# Altium PCB GN-1866-A-V2.PCBDOC (part 4 of 5)
Units mil, origin at the board's own origin, x right, y up, seen from the top; angles counter-clockwise.
Board outline 2475 x 2671.81 mil, 6 copper layers (TOP, ART02, ART03, ART04, ART05, BOTTOM), stack 47.2 mil thick; 347 components, 311 nets, 1697 pads, 1562 vias.
Unrouted connection lines stored in the file: 4.
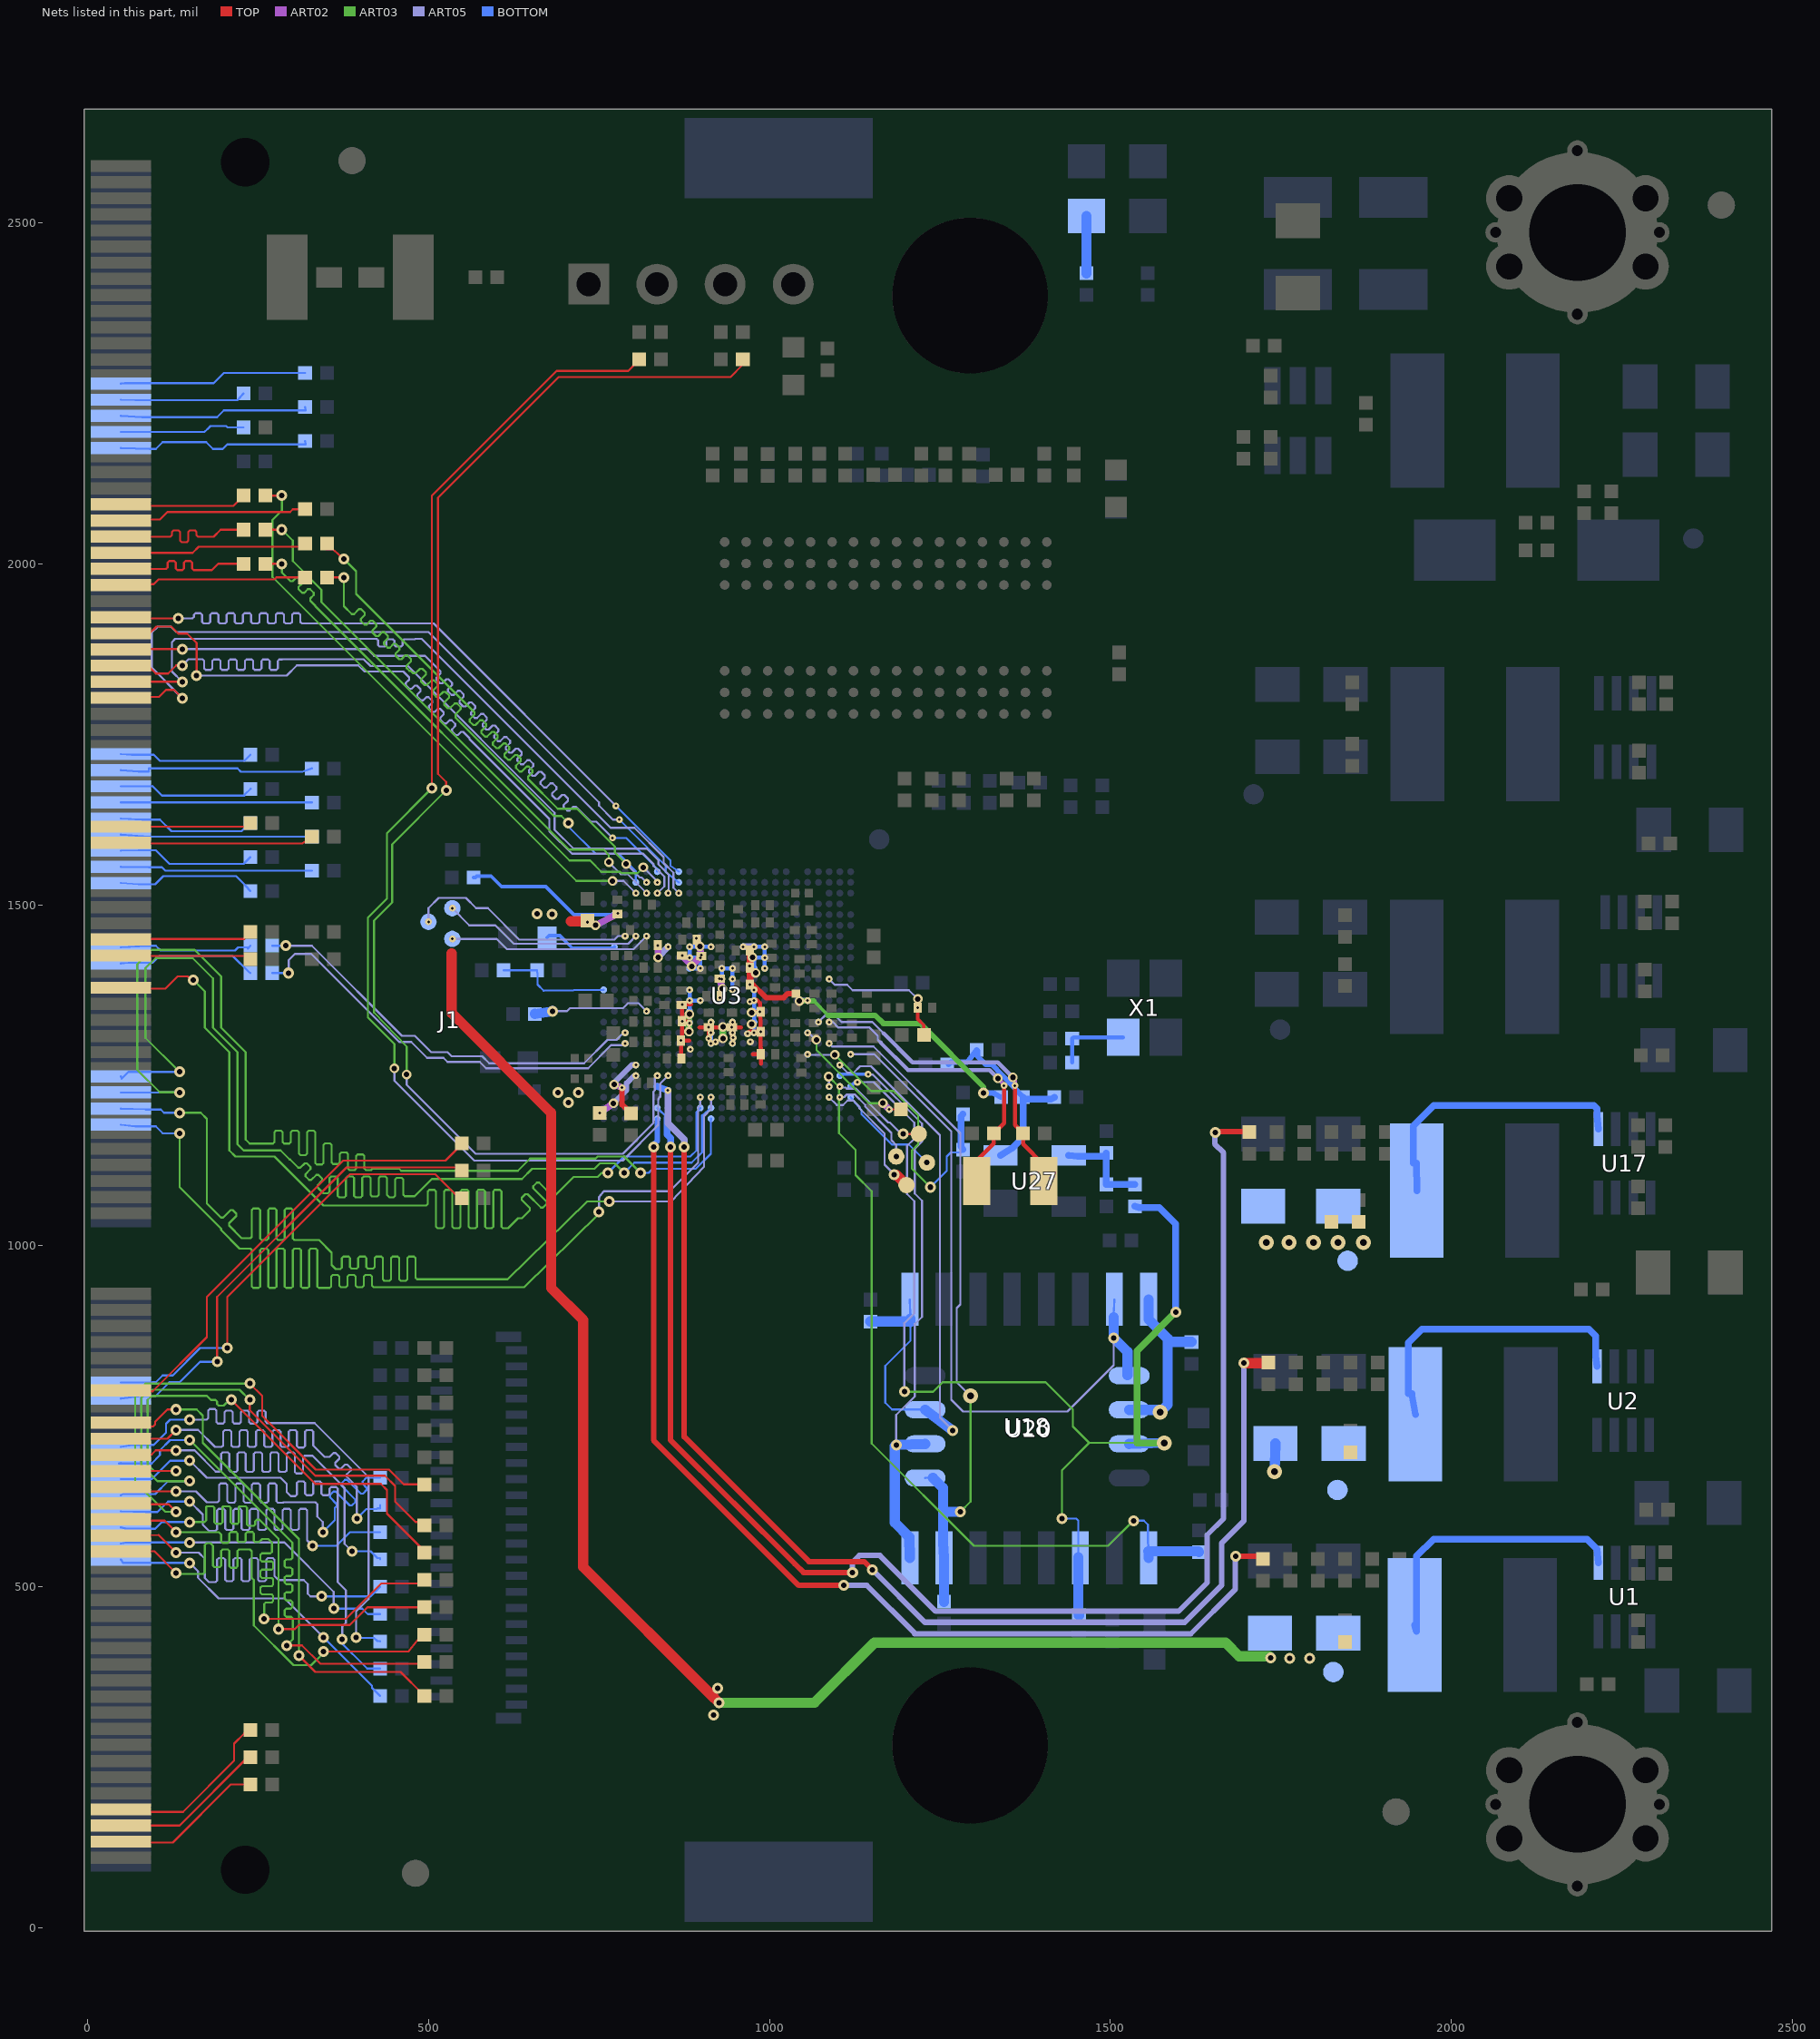
[diagram p8: the nets of this part, all layers, seen from the top]

## Via types
v1: diameter 10, hole 4, ART05 to BOTTOM, 456 vias
v2: diameter 22, hole 10, TOP to BOTTOM, 315 vias
v3: diameter 10, hole 4, TOP to ART02, 297 vias
v4: diameter 16, hole 8, TOP to BOTTOM, 255 vias
v5: diameter 14, hole 8, ART02 to ART05, 238 vias
v6: diameter 10, hole 4, ART02 to ART05, 1 vias

## Nets (pads, with @x,y where several pads share a name; then routed paths per layer and width w, separated by ;. In a path a pad name is that pad's centre, name@x,y a point inside that pad or via, vN(x,y) a via of type N, cw(c..) or ccw(c..) an arc to the next point about the centre after c; other vN are vias at no path point) (continued)
N600588: R28.2 U3.C20 | length 814
  TOP w3: R28.2@261,2050 v4(285,2050)
  ART03 w3: v4(285,2050) 301,2034 301,2004 343,1962 343,1944 706,1581 757,1581 764.5,1573 v5(764.5,1562.5)
  ART05 w3: v5(764.5,1562.5) 782,1545 791.97,1545 v1(819.87,1517.1)
N600594: R27.2 U3.B20 | length 839.4
  TOP w3: R27.2@351,2030 351,2021.5 359.5,2021.5 v4(376,2007)
  ART03 w3: v4(376,2007) 394,1989 394,1956 567.65,1782.35 567.65,1779.17 560.42,1771.93 560.42,1768.75 565.72,1763.45 568.9,1763.45 575.98,1770.53 579.17,1770.53 584.47,1765.22 584.47,1762.04 577.39,1754.96 577.39,1751.78 582.69,1746.48 585.87,1746.48 592.95,1753.56 596.14,1753.56 601.44,1748.25 601.44,1745.07 594.36,1737.99 594.36,1734.81 599.66,1729.51 602.84,1729.51 609.92,1736.59 613.11,1736.59 618.41,1731.28 618.41,1728.1 611.33,1721.02 611.33,1717.84 616.63,1712.53 619.81,1712.53 626.9,1719.62 630.08,1719.62 635.38,1714.31 635.38,1711.13 628.3,1704.05 628.3,1700.87 633.6,1695.56 636.78,1695.56 643.87,1702.65 647.05,1702.65 652.35,1697.34 652.35,1694.16 645.93,1687.74 645.93,1684.55 689.48,1641 717.81,1641 773.5,1585.31 773.5,1576.5 v5(790,1560)
  ART05 w3: v5(790,1560) 810,1540 812.71,1540 v1(819.87,1532.84)
N600600: R26.2 U3.B19 | length 820.5
  TOP w3: R26.2@261,2000 v4(285,2000)
  ART03 w3: v4(285,2000) 285,1987 297.65,1974.35 300.83,1974.35 306.16,1979.68 309.35,1979.68 314.65,1974.37 314.65,1971.19 309.52,1966.07 309.52,1962.89 314.83,1957.58 318.01,1957.58 323.13,1962.71 326.32,1962.71 331.62,1957.4 331.62,1954.22 326.55,1949.16 326.55,1945.98 334,1938.53 334,1938 707.04,1564.96 737.04,1564.96 753.5,1548.5 780.94,1548.5 782.94,1546.5 806.5,1546.5 v5(815,1555)
  ART05 w3: v5(815,1555) 835.62,1534.38 v1(835.62,1532.84)
N600606: R25.2 U3.B21 | length 874.1
  TOP w3: R25.2@351,1980 v4(376,1980)
  ART03 w3: v4(376,1980) 376,1938 387.65,1926.35 390.83,1926.35 397.93,1933.45 401.12,1933.45 406.42,1928.15 406.42,1924.96 400.86,1919.4 400.86,1916.22 406.16,1910.92 409.34,1910.92 414.9,1916.48 418.09,1916.48 423.39,1911.17 423.39,1907.99 417.83,1902.43 417.83,1899.25 423.13,1893.95 426.31,1893.95 431.88,1899.51 435.06,1899.51 440.36,1894.2 440.36,1891.02 434.8,1885.46 434.8,1882.28 440.1,1876.97 443.28,1876.97 448.85,1882.54 452.03,1882.54 457.33,1877.23 457.33,1874.05 451.77,1868.49 451.77,1865.31 457.07,1860 460.25,1860 465.82,1865.57 469,1865.57 474.3,1860.26 474.3,1857.08 467.8,1850.58 467.8,1847.4 472,1843.2 473.8,1843.2 477.65,1839.35 480.83,1839.35 487.73,1846.25 490.91,1846.25 496.22,1840.94 496.22,1837.76 488.96,1830.5 488.96,1827.32 494.26,1822.02 497.44,1822.02 504.7,1829.28 507.88,1829.28 513.19,1823.97 513.19,1820.79 505.93,1813.53 505.93,1810.35 511.23,1805.05 514.41,1805.05 521.67,1812.3 524.85,1812.3 530.16,1807 530.16,1803.82 522.9,1796.56 522.9,1793.38 528.2,1788.08 531.38,1788.08 538.64,1795.33 541.82,1795.33 547.13,1790.03 547.13,1786.85 539.84,1779.56 539.84,1774.16 683.8,1630.2 694.8,1630.2 v4(705,1620)
  BOTTOM w3: v4(705,1620) 705,1615 745.5,1574.5 779,1574.5 804.11,1549.39 804.11,1533 U3.B21@804.12,1532.84
N600612: R24.2 U3.C21 | length 874.2
  TOP w3: R24.2@261,2100 v4(285,2100)
  ART03 w3: v4(285,2100) 285,2078.15 271,2064.15 271,1980.78 716.78,1535 v5(770,1535)
  ART05 w3: v5(770,1535) 786.22,1535 v1(804.12,1517.1)
N600700: C219.1 R20.2 X1.3 | length 110.5
  BOTTOM w6: C219.1@1444,1268.89 R20.2@1444,1304 1445.79,1305.79 X1.3@1518.6,1305.79
N5382241: R213.1 U3.P20 | length 174
  ART05 w3: v4(682,1344) 703.35,1344 707.67,1348.33 785.33,1348.33 792.74,1355.74 808,1355.74 v1(819.87,1343.87)
  BOTTOM w15: R213.1@656,1340 v4(682,1344)
N5525110: R12.1 U3.T5 | length 192.3
  TOP w3: v3(1175.73,1200) R12.1@1193,1200
  ART02 w10: v5(1166.57,1209.16) v3(1175.73,1200)
  ART03 w3: v5(1069,1302) 1069,1287 1146,1209.16 v5(1166.57,1209.16)
  ART05 w3: v1(1056.09,1312.37) 1058.13,1311.28 1058.86,1311.28 1068.14,1302 v5(1069,1302)
N7059037: J1.60 R376.1 | length 685.2
  TOP w3: J1.60@49,787.85 81.19,786.78 95.54,786.78 175,866.24 175,925 375,1125 525,1125 545,1145 R376.1@549,1150
N7059835: J1.8 R375.2 | length 257.5
  TOP w3: J1.8@49,173.68 75,170 140,170 215,245 215,270 230,285 239,285 R375.2@239,290
N7059839: J1.6 R374.2 | length 231.4
  TOP w3: J1.6@49,150.06 110,150 135,150 235,250 R374.2@239,250
N7059843: J1.4 R373.2 | length 225.2
  TOP w3: J1.4@49,126.43 90,125 125,125 210,210 R373.2@239,210
N7068986: J1.59 R377.1 | length 697.1
  TOP w3: v4(190,830) 190,925 380,1115 545,1115 R377.1@549,1110
  BOTTOM w3: J1.59@49,776.04 80,780 100,780 120,800 135,800 165,830 v4(190,830)
N7068990: J1.61 R378.1 | length 684.1
  TOP w3: v4(205,850) 205,925 385,1105 510,1105 540,1075 R378.1@549,1070
  BOTTOM w3: J1.61@49,799.66 95,799.84 99.98,799.84 110.14,810 125,810 165,850 v4(205,850)
N7082601: J1.105 R384.2 | length 204.3
  BOTTOM w3: J1.105@49,1413.83 60,1415 95,1415 105,1425 213.02,1425 236.37,1401.64 R384.2@239,1400
N7082607: J1.107 R380.2 | length 198.7
  BOTTOM w3: J1.107@49,1437.46 90,1440 100,1440 107,1433 216.25,1433 221,1437.75 234.75,1437.75 234.75,1435.75 R380.2@239,1440
N7082751: J1.115 R385.2 | length 204.5
  BOTTOM w3: J1.115@49,1531.94 75,1530 99,1530 111,1542 217.9,1542 231.94,1527.95 231.94,1527.8 232.36,1527.38 R385.2@239,1520
N7082755: J1.117 R386.2 | length 282.1
  BOTTOM w3: J1.117@49,1555.57 90,1555 109,1555 114,1550 R386.2@329,1550
N7082824: J1.119 R388.2 | length 202.4
  BOTTOM w3: J1.119@49,1579.19 75,1580 100,1580 120,1560 229,1560 R388.2@239,1570
N7083055: J1.121 R382.2 | length 280.1
  BOTTOM w3: J1.121@49,1602.81 90,1600 R382.2@329,1600
N7083124: J1.123 R389.2 | length 202.6
  BOTTOM w3: J1.123@49,1626.43 80,1625 106,1625 123,1608 225.9,1608 238.51,1620.61 R389.2@239,1620
N7083564: J1.125 R390.2 | length 280
  BOTTOM w3: J1.125@49,1650.06 80,1650 R390.2@329,1650
N7083724: J1.129 R392.2 | length 287.9
  BOTTOM w3: J1.129@49,1697.3 75.03,1695.37 89.63,1695.37 89.82,1695.18 89.82,1700 220,1700 225,1695 315,1695 R392.2@329,1700
N7083791: J1.127 R391.2 | length 201
  BOTTOM w3: J1.127@49,1673.68 95.02,1674 109,1660.02 230,1660.02 230,1661.17 239.04,1670.21 239.04,1670.04 R391.2@239,1670
N7084255: J1.131 R393.2 | length 197.5
  BOTTOM w3: J1.131@49,1720.92 65,1720 97,1720 106,1711 230,1711 R393.2@239,1720
N7084554: J1.108 R379.2 | length 194.7
  TOP w3: J1.108@49,1449.27 80,1450 230,1450 230,1451 R379.2@239,1460
N7084572: J1.106 R383.2 | length 192.4
  TOP w3: J1.106@49,1425.65 85,1425 235,1425 R383.2@239,1420
N7085291: J1.120 R387.2 | length 283.2
  TOP w3: J1.120@49,1591 70,1590 315,1590 R387.2@329,1600
N7085323: J1.122 R381.2 | length 192.4
  TOP w3: J1.122@49,1614.62 235,1615 R381.2@239,1620
N7153901: J1.177 R398.2 | length 276.3
  BOTTOM w3: J1.177@49,2264.23 55,2265 185,2265 200,2280 R398.2@319,2280
N7153965: J1.175 R397.2 | length 184.5
  BOTTOM w3: J1.175@49,2240.61 70,2240 220,2240 R397.2@229,2250
N7154030: J1.173 R396.2 | length 280.3
  BOTTOM w3: J1.173@49,2216.98 80,2215 190,2215 200,2225 320,2225 R396.2@319,2230
N7154173: J1.171 R395.2 | length 184.4
  BOTTOM w3: J1.171@49,2193.36 171.38,2193.36 175.83,2197.81 176.19,2197.81 180.38,2202 203.15,2202 205.15,2200 R395.2@229,2200
N7154240: J1.169 R394.2 | length 287.2
  BOTTOM w3: J1.169@49,2169.74 91.27,2168.37 100,2168.37 110,2178.37 173.97,2178.37 183.97,2168.37 198.37,2168.37 205,2175 320,2175 R394.2@319,2180
N7283603: LED1.2 R87.2 | length 84
  BOTTOM w15: R87.2@1465,2426 LED1.2@1465,2510
N7305943: TP4.1 U3.AB1 | length 165.2
  TOP w3: TP4.1@1222,1121 v4(1231,1122)
  BOTTOM w3: U3.AB1@1119.08,1217.88 1135,1199 1135,1193 1179.5,1148.5 1204.5,1148.5 v4(1231,1122)
N7305961: TP5.1 U3.AA2 | length 145.9
  TOP w3: v4(1196,1164) TP5.1@1219,1164
  ART05 w3: v1(1103.33,1233.63) 1104.98,1231.98 1111.62,1231.98 1113.23,1230.37 1127.03,1230.37 1147.19,1210.2 1147.19,1207.78 1174.29,1180.68 1176.72,1180.68 1192.9,1164.5 1195.5,1164.5 v4(1196,1164)
N7305989: TP6.1 U3.AB2 | length 140
  ART05 w3: v1(1103.33,1217.88) 1103.67,1218.22 1109.57,1218.22 1109.8,1217.99 1113.85,1222.04 1124.96,1222.04 1140.58,1206.42 1140.38,1206.23 1140.38,1204.27 1179,1165.65 1179,1155 1186,1148 v4(1186,1131)
N7306017: TP7.1 U3.AB3 | length 201.1
  TOP w3: v4(1183,1104) v4@1186,1104
  TOP w15: v4@1186,1104 TP7.1@1201,1089
  ART05 w3: v1(1087.59,1217.88) 1098.85,1206.62 1098.85,1206.43 1107.96,1206.43 1114.53,1213 1123,1213 1131.84,1204.16 1131.84,1201.67 1169,1164.51 1169,1119 1183,1105 v4(1183,1104)
N7424180: R84.2 R85.1 U3.V5 | length 457
  ART03 w3: v5(1096,1280) 1149,1227 1182,1227 1218,1191 1218,1149 1209,1140 1209,1113 v4(1236,1086)
  ART05 w3: v1(1056.09,1280.88) 1056.21,1280 v5(1096,1280)
  BOTTOM w3: v4(1236,1086) 1260,1110 1260,1131 1266,1137 1281,1137 R84.2@1284,1141
  BOTTOM w10: R84.2@1284,1141 1281,1146 1281,1190 R85.1@1284,1193
N7424937: C50.1 R77.1 R78.1 R79.2 U27.2 | length 303.3
  BOTTOM w3: R79.2@1261,1266 1262.92,1266 R79.2@1262.96,1266.04
  BOTTOM w8: R79.2@1262.96,1266.04 1265.92,1269 1290,1269 C50.1@1304,1287 1305,1286 1305,1278 1317,1266 1326,1266 R78.1@1372,1218
  BOTTOM w10: U27.2@1339,1132.5 1356,1143 1372.1,1159.1 1372.1,1215 1413,1215 R77.1@1418,1218 ; R78.1@1372,1218 R78.1@1372.1,1215.04
N7425746: R78.2 U3.N5 | length 371.1
  ART03 w5: 1065,1359 1086,1338
  ART03 w8: v5(1044,1359) 1065,1359 ; 1086,1338 1155,1338 1167,1326 1221,1326 1314,1233 v4(1314,1224)
  ART05 w8: v5(1044,1359) 1044.62,1359.62 v1(1056.09,1359.62)
  BOTTOM w8: v4(1314,1224) 1329,1224 1330,1223 R78.2@1340,1218
N7433111: C49.1 R80.2 R86.1 U27.3 | length 143.1
  BOTTOM w10: U27.3@1439,1132.5 1452,1131 C49.1@1494,1131 ; R86.1@1494,1090 R86.1@1494.1,1090.01 ; C49.1@1494,1136 1494.01,1131.01 R86.1@1494.1,1090.01 ; R80.2@1536,1090 1497.52,1090.18 R86.1@1494.1,1090.01
N7478185: R90.1 R91.2 U3.M24 | length 170.7
  BOTTOM w3: R91.2@610,1404 R90.1@659,1404 660,1398 660,1383 669,1374 U3.M24@756.88,1375.36
PWR_RSTN: C175.1 R36.2 U3.L3 | length 198.7
  TOP w5: v3(1217.5,1349) 1217.5,1332.5 1226.5,1323.5 R36.2@1226.5,1309
  ART02 w3: v3(1217.5,1349) v5(1217.5,1362)
  ART05 w3: v1(1087.59,1391.11) 1095.85,1382.85 1114.14,1382.85 1122.09,1374.9 1204.6,1374.9 v5(1217.5,1362)
RGMII_RXCK: J1.146 U3.C19 | length 1119.8
  TOP w3: J1.146@49,1898.09 85,1897.95 90.98,1897.95 101.05,1908 122.81,1908 133,1897.81 146.19,1897.81 160,1884 v4(160,1836)
  ART05 w3: v4(160,1836) 292,1836 307,1851 397,1851 406,1842 463,1842 471.65,1833.35 471.65,1830.17 466.8,1825.32 466.8,1822.14 472.11,1816.83 475.29,1816.83 479.96,1821.51 483.14,1821.51 488.45,1816.2 488.45,1813.02 483.78,1808.35 483.78,1805.17 489.08,1799.86 492.26,1799.86 496.93,1804.54 500.11,1804.54 505.42,1799.23 505.42,1796.05 500.75,1791.38 500.75,1788.2 506.05,1782.89 509.23,1782.89 513.9,1787.57 517.09,1787.57 522.39,1782.26 522.39,1779.08 517.72,1774.41 517.72,1771.23 523.02,1765.92 526.2,1765.92 530.87,1770.59 534.06,1770.59 539.36,1765.29 539.36,1762.11 534.69,1757.44 534.69,1754.26 539.99,1748.95 543.17,1748.95 547.84,1753.62 551.03,1753.62 560.21,1744.44 560.21,1743 677.38,1625.82 677.38,1608 710.38,1575 815,1575 830,1560 830,1557 845.76,1541.24 845.76,1527.24 v1(835.62,1517.1)
RGMII_RXD0: J1.138 U3.B17 | length 1152.9
  TOP w3: J1.138@49,1803.6 90,1805 105,1805 115,1815 127,1815 v4(139,1803)
  ART05 w3: v4(139,1803) 94,1848 94,1899 103,1908 122,1908 130,1900 500,1900 750,1650 750,1645.5 770.5,1625 v1(780,1625)
  BOTTOM w3: v1(780,1625) 848,1557 848,1548 U3.B17@867.11,1532.84
RGMII_RXD1: J1.140 U3.C17 | length 1106.3
  TOP w3: J1.140@49,1827.22 v4(139,1827)
  ART05 w3: v4(139,1827) 138.61,1827 123.61,1842 123.61,1885.16 128.45,1890 423.75,1890 426,1887.75 426,1880.78 428.25,1878.53 435.75,1878.53 438,1880.78 438,1887.06 440.25,1889.31 447.75,1889.31 450,1887.06 450,1880.78 452.25,1878.53 459.75,1878.53 462,1880.78 462,1887.06 464.25,1889.31 480,1889.31 480.69,1890 490,1890 767,1613 802,1613 845,1570 845,1561.21 859.21,1547 859.21,1525 v1(867.11,1517.1)
RGMII_RXD2: J1.142 U3.C18 | length 1118.6
  TOP w3: J1.142@49,1850.84 91,1848 100,1839 118.02,1839 130.01,1850.99 133,1850.99 v4(139,1851)
  ART05 w3: v4(139,1851) 148,1860 168.75,1860 171,1857.75 171,1846.79 173.25,1844.54 180.75,1844.54 183,1846.79 183,1857.56 185.25,1859.81 192.75,1859.81 195,1857.56 195,1846.79 197.25,1844.54 204.75,1844.54 207,1846.79 207,1857.56 209.25,1859.81 216.75,1859.81 219,1857.56 219,1846.79 221.25,1844.54 228.75,1844.54 231,1846.79 231,1857.56 233.25,1859.81 240.75,1859.81 243,1857.56 243,1846.79 245.25,1844.54 252.75,1844.54 255,1846.79 255,1857.56 257.25,1859.81 264.75,1859.81 267,1857.56 267,1846.79 269.25,1844.54 276.75,1844.54 279,1846.79 279,1857.56 281.25,1859.81 285,1859.81 405,1860 415,1850 470,1850 685,1635 685,1610 712.73,1582.27 820,1582.27 837.27,1565 837.27,1559.27 852.27,1544.27 852.27,1518 v1(851.37,1517.1)
RGMII_RXD3: J1.144 U3.A19 | length 1173.4
  TOP w3: J1.144@49,1874.46 88,1874.7 88.31,1875 v4(139,1875)
  ART05 w3: v4(139,1875) 410,1875 420,1865 495,1865 517.65,1842.35 517.65,1839.17 511.7,1833.22 511.7,1830.04 517.01,1824.73 520.19,1824.73 526.22,1830.77 529.41,1830.77 534.71,1825.46 534.71,1822.28 528.67,1816.25 528.67,1813.07 533.98,1807.76 537.16,1807.76 543.19,1813.8 546.38,1813.8 551.68,1808.49 551.68,1805.31 545.64,1799.28 545.64,1796.09 550.95,1790.79 554.13,1790.79 560.17,1796.83 563.35,1796.83 568.65,1791.52 568.65,1788.34 562.61,1782.31 562.61,1779.12 567.92,1773.82 571.1,1773.82 577.14,1779.86 580.32,1779.86 585.62,1774.55 585.62,1771.37 579.59,1765.34 579.59,1762.15 584.89,1756.85 588.07,1756.85 594.11,1762.89 597.29,1762.89 602.59,1757.58 602.59,1754.4 596.56,1748.37 596.56,1745.18 601.86,1739.88 605.04,1739.88 611.08,1745.92 614.26,1745.92 619.56,1740.61 619.56,1737.43 613.53,1731.39 613.53,1728.21 618.83,1722.91 622.01,1722.91 628.05,1728.94 631.23,1728.94 636.53,1723.64 636.53,1720.46 630.5,1714.42 630.5,1711.24 635.8,1705.94 638.98,1705.94 645.02,1711.97 648.2,1711.97 653.5,1706.67 653.5,1703.49 647.47,1697.45 647.47,1694.27 652.77,1688.97 655.95,1688.97 661.99,1695 665.17,1695 670.47,1689.7 670.47,1686.52 664.44,1680.48 664.44,1677.3 669.74,1672 672.92,1672 678.96,1678.03 682.14,1678.03 687.44,1672.73 687.44,1669.55 681.41,1663.51 681.41,1660.33 686.71,1655.03 689.89,1655.03 695.93,1661.06 699.11,1661.06 704.41,1655.76 704.41,1652.58 698.38,1646.54 698.38,1643.36 703.68,1638.06 706.86,1638.06 712.66,1643.85 715.84,1643.85 737.84,1621.86 746.14,1621.86 v1(770,1598)
  BOTTOM w3: v1(770,1598) 790,1598 835.12,1552.88 835.12,1549.09 835.54,1548.68 U3.A19@835.62,1548.59
RGMII_RXDV: J1.148 U3.A17 | length 1138.4
  TOP w3: J1.148@49,1921.71 65,1920 v4(133,1920)
  ART05 w3: v4(133,1920) 153.75,1920 156,1922.25 156,1925.25 158.25,1927.5 165.75,1927.5 168,1925.25 168,1914.75 170.25,1912.5 177.75,1912.5 180,1914.75 180,1925.25 182.25,1927.5 189.75,1927.5 192,1925.25 192,1914.75 194.25,1912.5 201.75,1912.5 204,1914.75 204,1925.25 206.25,1927.5 213.75,1927.5 216,1925.25 216,1914.75 218.25,1912.5 225.75,1912.5 228,1914.75 228,1925.25 230.25,1927.5 237.75,1927.5 240,1925.25 240,1914.75 242.25,1912.5 249.75,1912.5 252,1914.75 252,1925.25 254.25,1927.5 261.75,1927.5 264,1925.25 264,1914.75 266.25,1912.5 273.75,1912.5 276,1914.75 276,1925.25 278.25,1927.5 285.75,1927.5 288,1925.25 288,1914.75 290.25,1912.5 297.75,1912.5 300,1914.75 300,1925.25 302.25,1927.5 309.75,1927.5 312,1925.25 312,1914.75 314.25,1912.5 507.5,1912.5 v1(775,1645)
  BOTTOM w3: v1(775,1645) 855,1565 855,1557 U3.A17@867.11,1548.59
RGMII_TXCKOUT: J1.160 R23.1 | length 276.2
  TOP w3: J1.160@49,2063.44 85,2065 106,2065 117,2076 297,2076 301,2080 R23.1@319,2080
RGMII_TXD0: J1.152 R25.1 | length 274.2
  TOP w3: J1.152@49,1968.95 85,1970 97,1970 104,1977 274,1977 277,1980 R25.1@319,1980
RGMII_TXD1: J1.154 R26.1 | length 259.9
  TOP w3: J1.154@85,1990 J1.154@49,1992.57 115.18,1992.57 117.43,1994.82 117.43,2001.71 119.68,2003.96 127.18,2003.96 129.43,2001.71 129.43,1993.14 131.68,1990.89 139.18,1990.89 141.43,1993.14 141.43,2001.71 143.68,2003.96 151.18,2003.96 153.43,2001.71 153.43,1993.14 155.68,1990.89 182.41,1990.89 191.52,2000 R26.1@229,2000
RGMII_TXD2: J1.156 R27.1 | length 274.9
  TOP w3: J1.156@49,2016.2 154.2,2016.2 163,2025 310,2025 R27.1@319,2030
RGMII_TXD3: J1.158 R28.1 | length 252.7
  TOP w3: J1.158@75,2040 J1.158@49,2039.82 121.57,2039.82 123.82,2042.07 123.82,2046.64 126.07,2048.89 133.57,2048.89 135.82,2046.64 135.82,2033.87 138.07,2031.62 145.57,2031.62 147.82,2033.87 147.82,2046.64 150.07,2048.89 157.57,2048.89 159.82,2046.64 159.82,2041.84 162.07,2039.59 184.95,2039.59 195.36,2050 R28.1@229,2050
RGMII_TXEN: J1.162 R24.1 | length 186.4
  TOP w3: J1.162@49,2087.06 60,2085 214,2085 R24.1@229,2100
RTC_XIN: C138.1 U3.R3 X2.1 | length 456
  TOP w6: X2.1@1303.79,1095 1303.79,1124.8 1329,1150.01 C138.1@1329,1165 1344,1180 v3(1344,1235)
  ART02 w6: v5(1335,1245.5) 1344,1236.5 v3(1344,1235)
  ART05 w3.2: v1(1087.59,1328.12) 1092.87,1328.12 1100.99,1320 1147,1320 1159,1308 1159,1302 1163,1298
  ART05 w6: 1163,1298 1203.5,1257.5 1323,1257.5 v5(1335,1245.5)
RTC_XOUT: C139.1 U3.R4 X2.2 | length 499.3
  TOP w6: v3(1360,1235) 1360,1177 C139.1@1372,1165 1372,1149.01 1402.21,1118.8 X2.2@1402.21,1095
  ART02 w6: v5(1357,1247) 1360,1244 v3(1360,1235)
  ART05 w3.2: v1(1071.84,1328.12) 1083.72,1340 1094,1340 1105.88,1328.12 1150.88,1328.12 1167.16,1311.84
  ART05 w6: 1167.16,1311.84 1209.9,1269.1 1334.9,1269.1 v5(1357,1247)